# Altium PCB Power_Supply_Board_V2I1.PcbDoc
Units mm, origin at the board's own origin, x right, y up, seen from the top; angles counter-clockwise.
Board outline 48 x 28 mm, 4 copper layers (Top Layer, IN_T, IN_B, Bottom Layer), stack 1.57 mm thick; 49 components, 26 nets, 144 pads, 44 vias.
Unrouted connection lines stored in the file: 2.
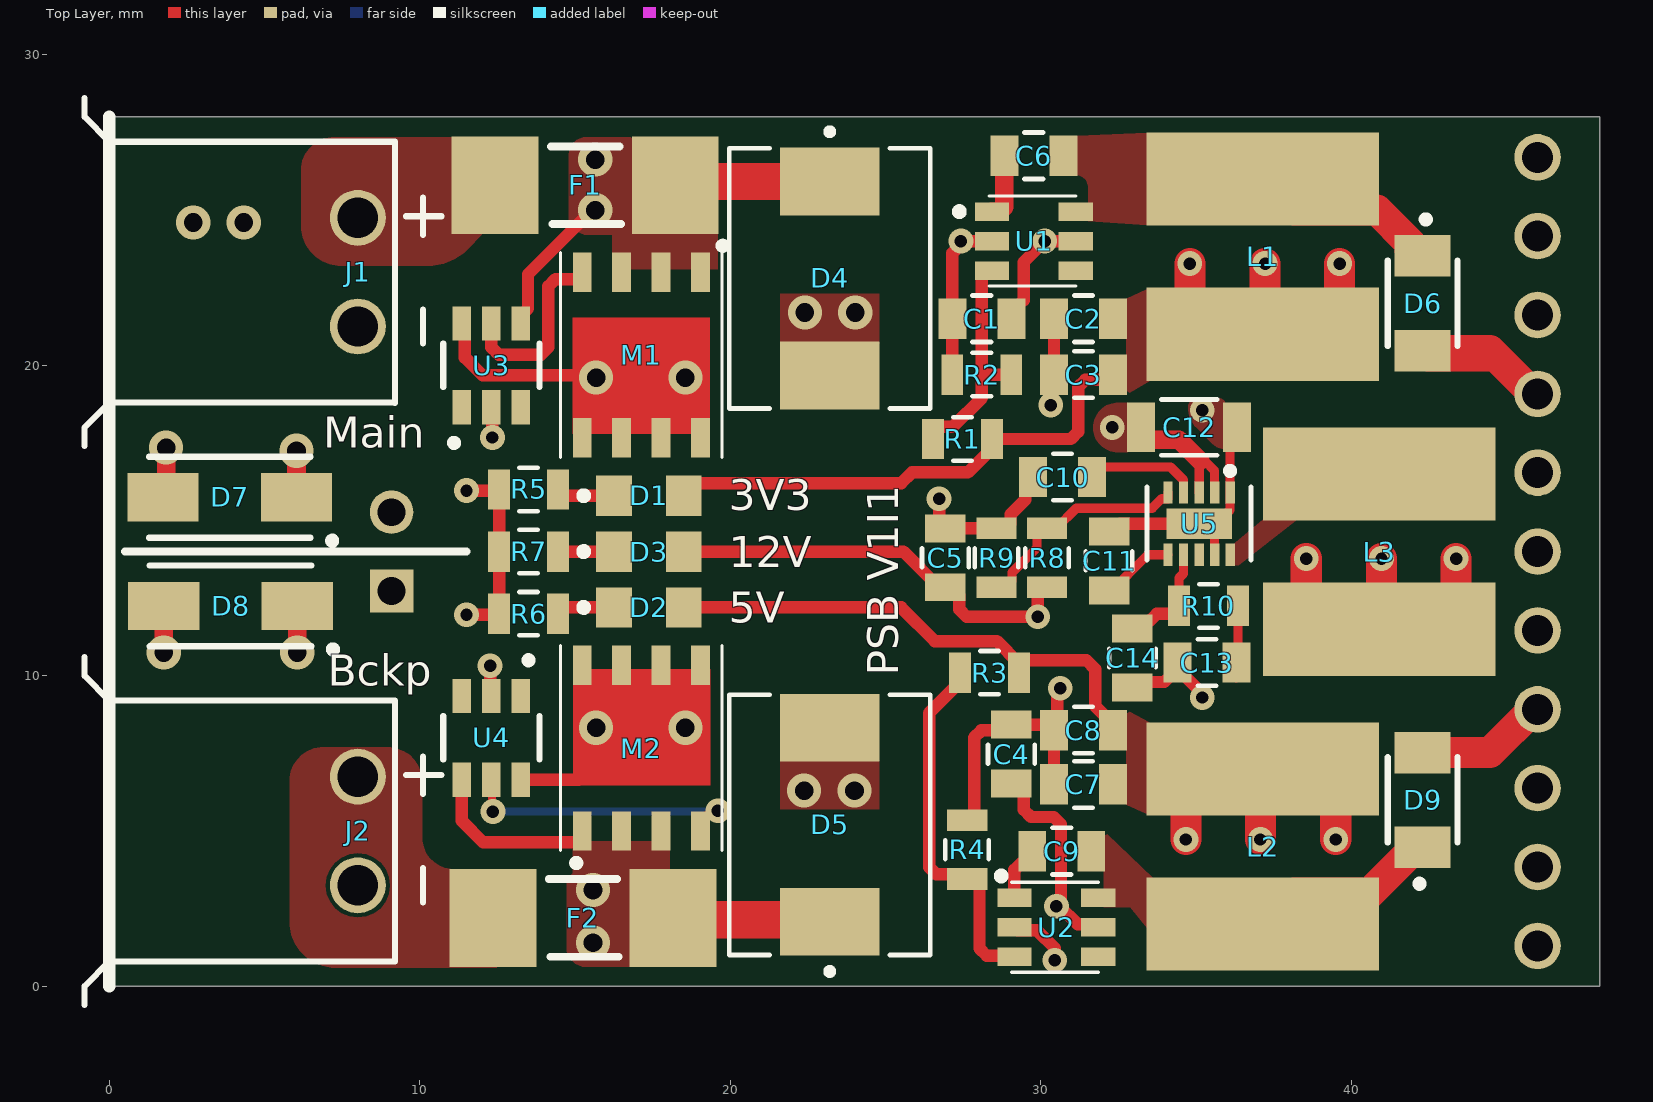
[diagram p0: Top Layer view]
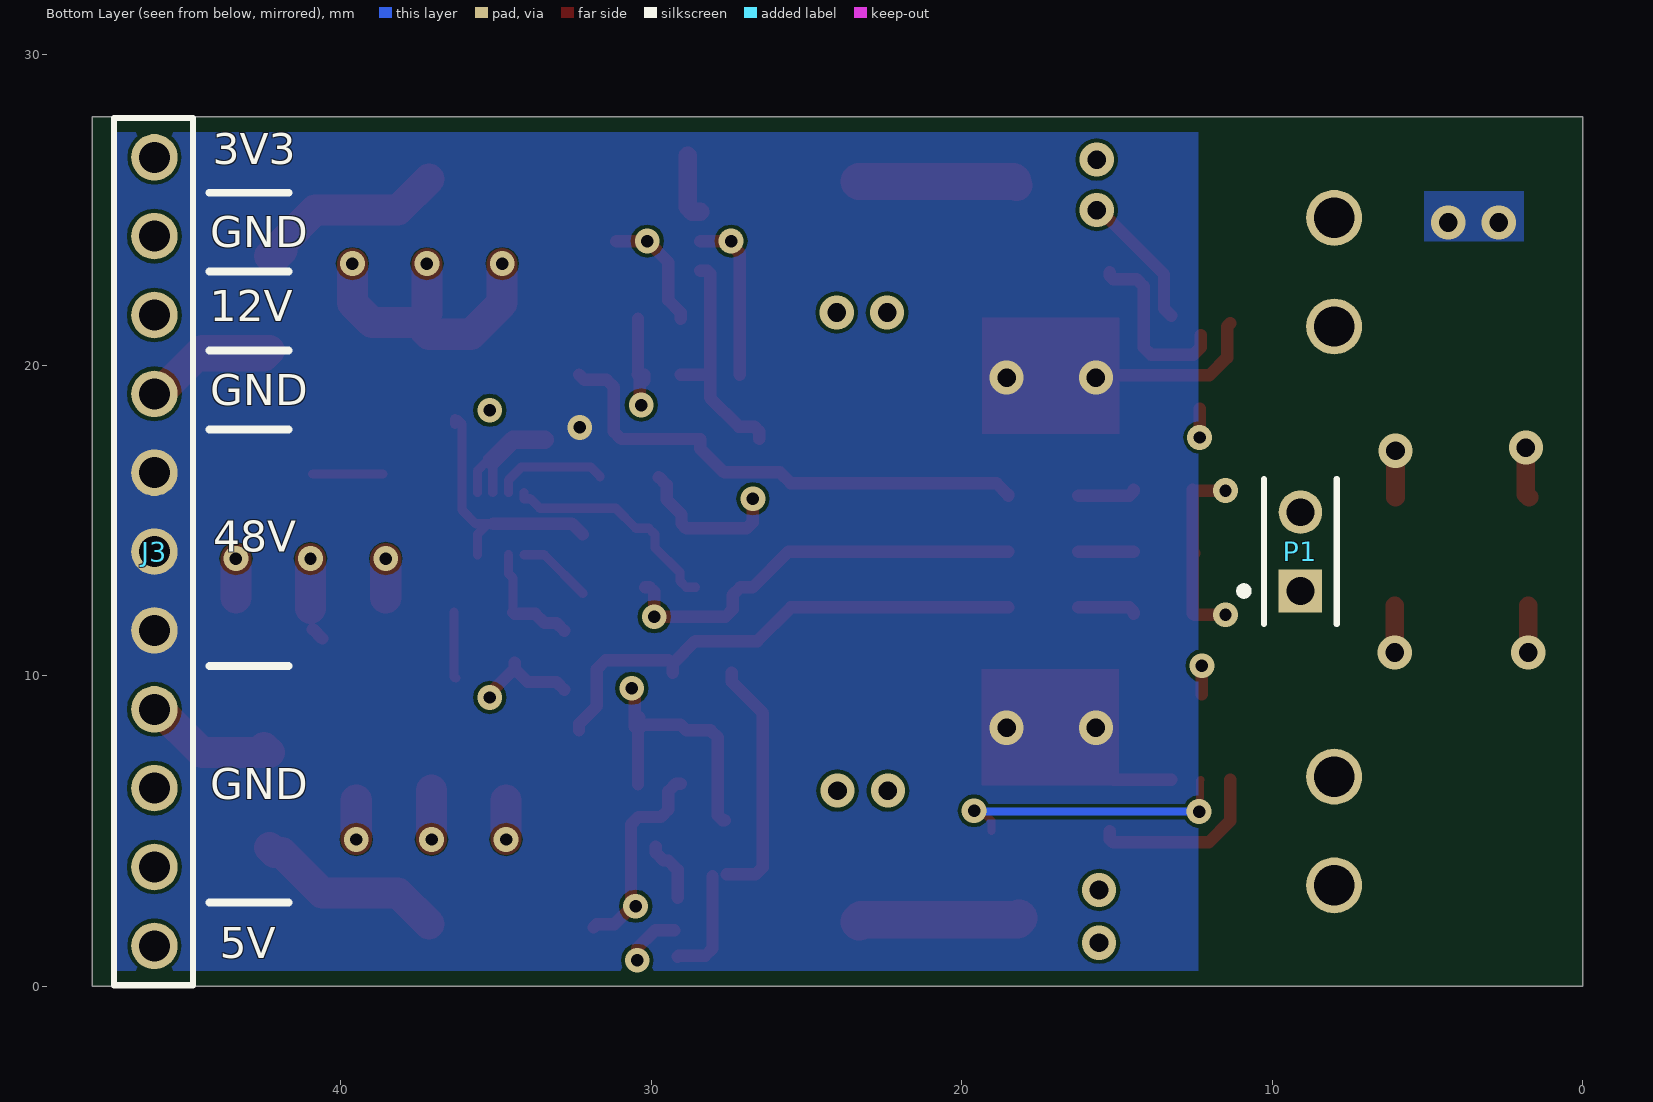
[diagram p1: Bottom Layer view, seen from below]
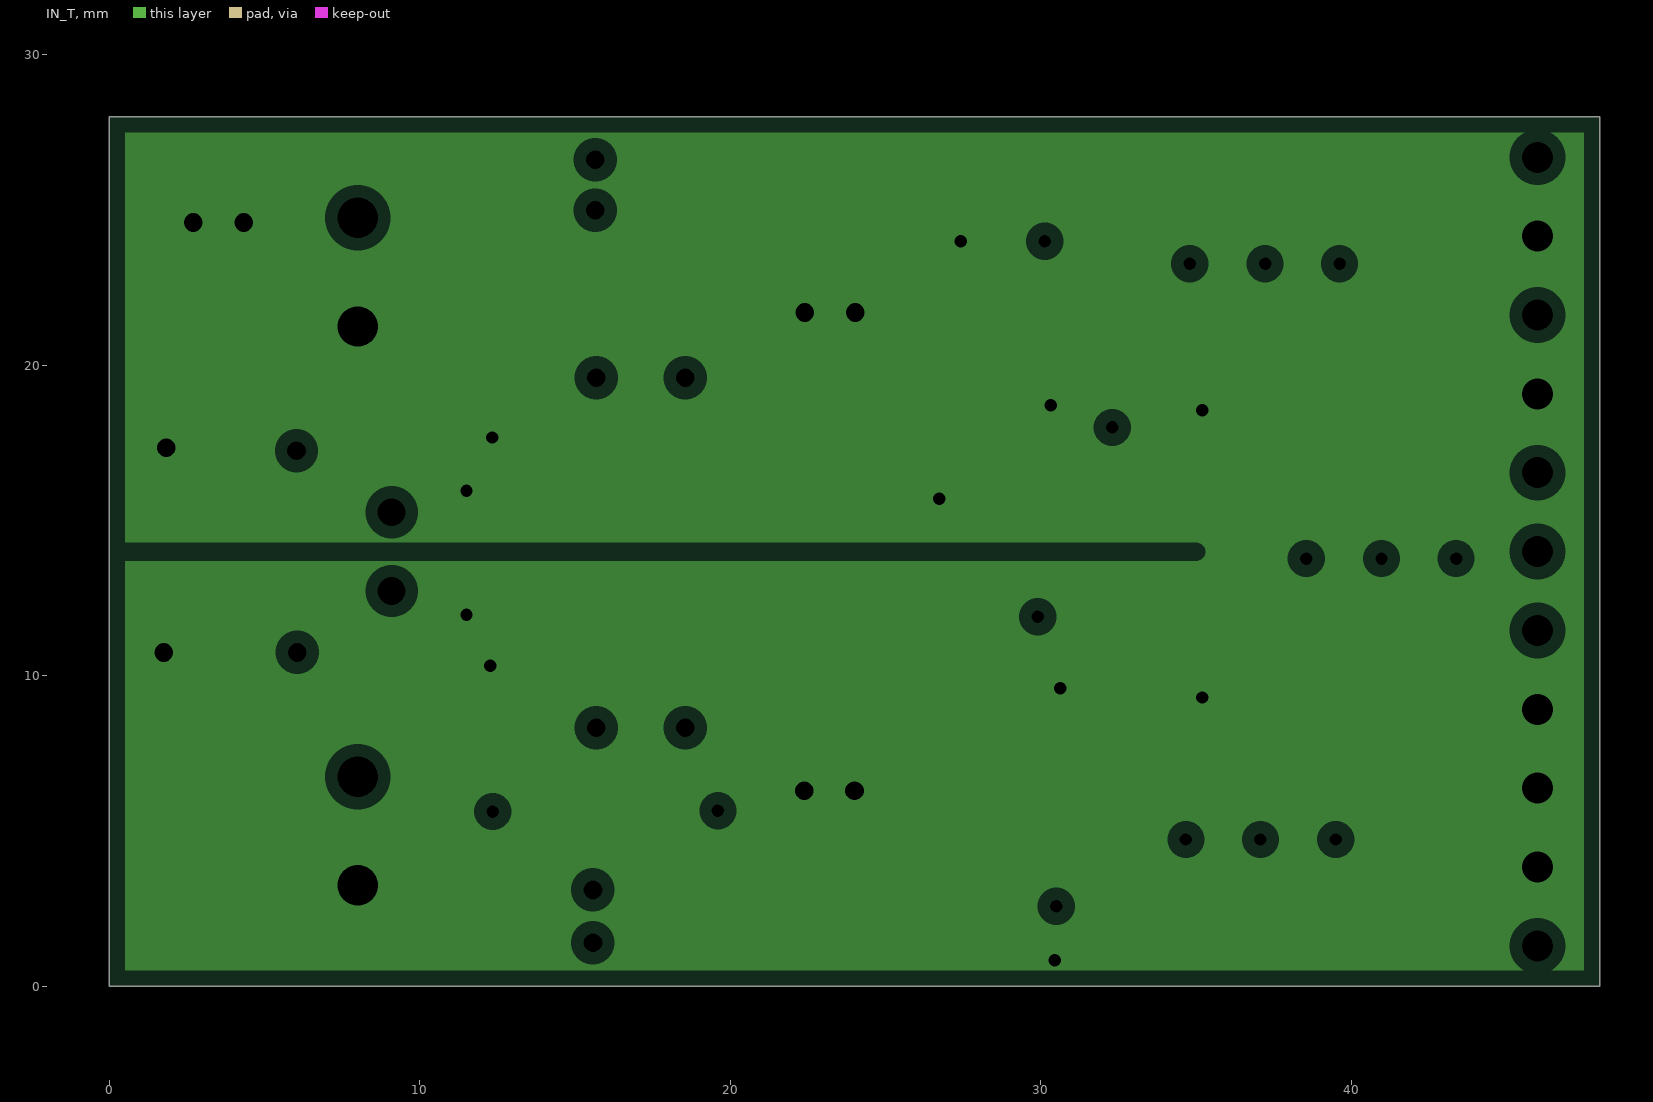
[diagram p2: IN_T, clearances drawn from the general rule]
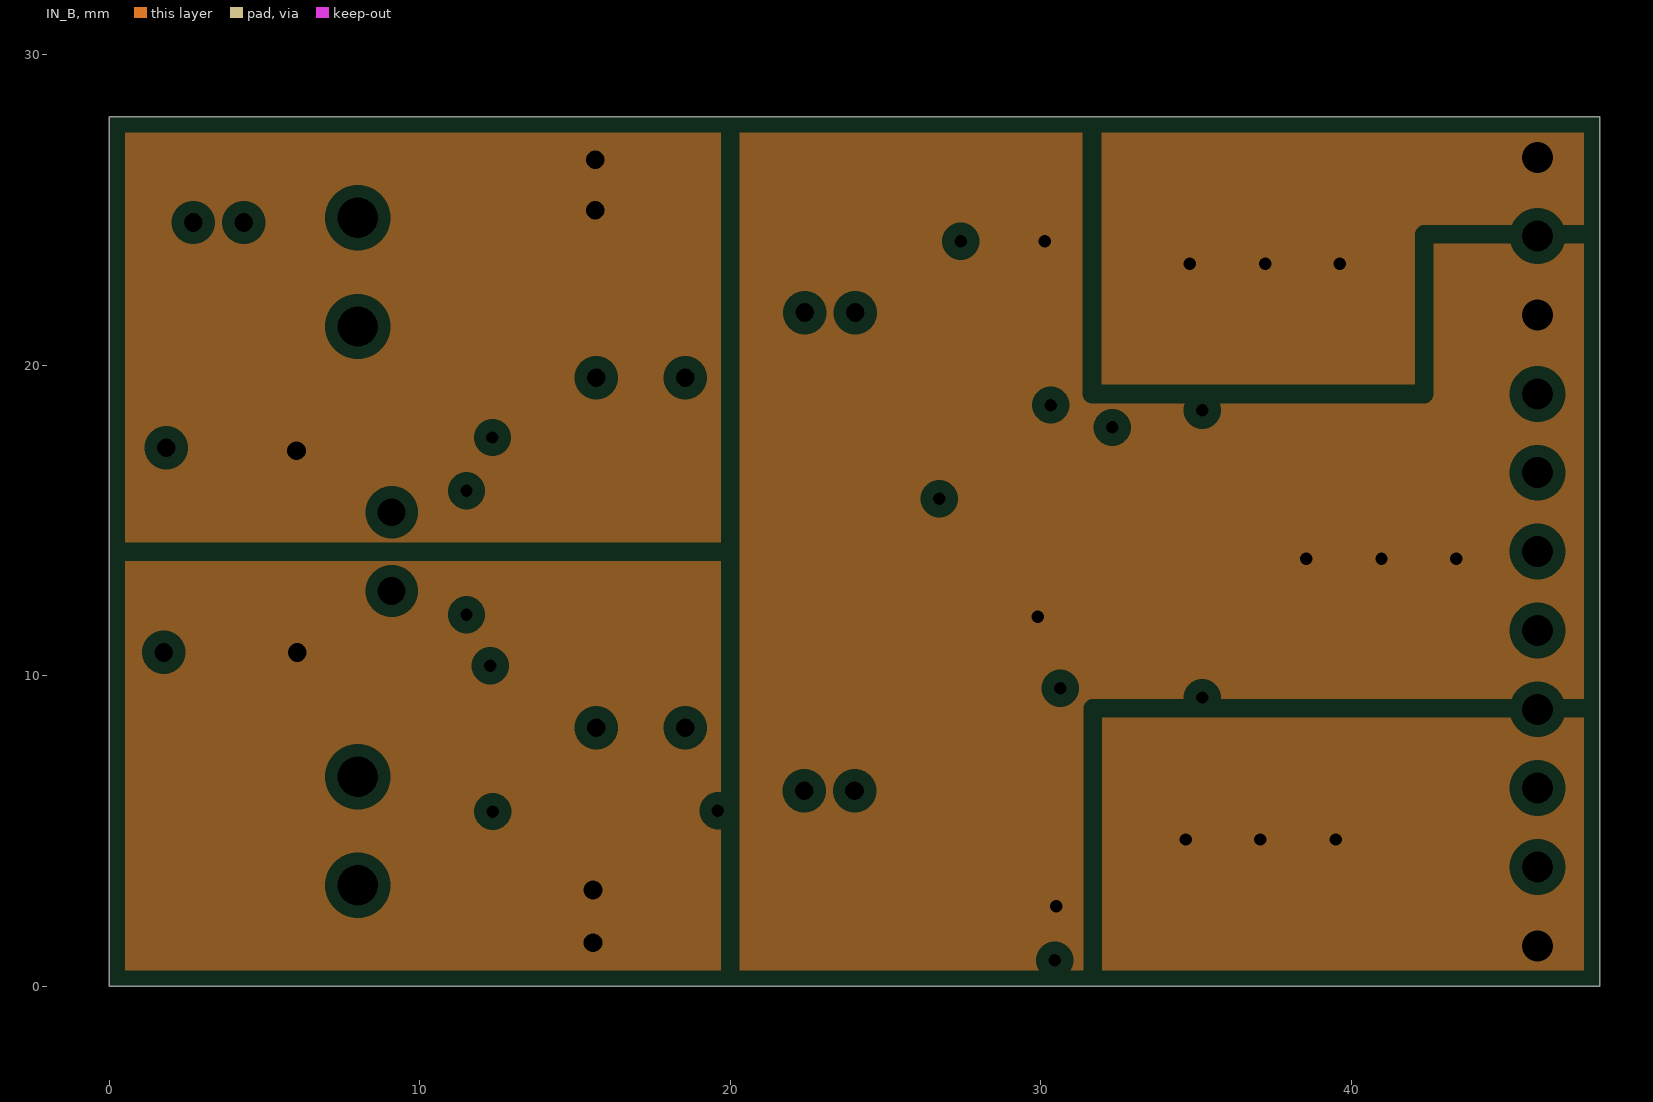
[diagram p3: IN_B, clearances drawn from the general rule]
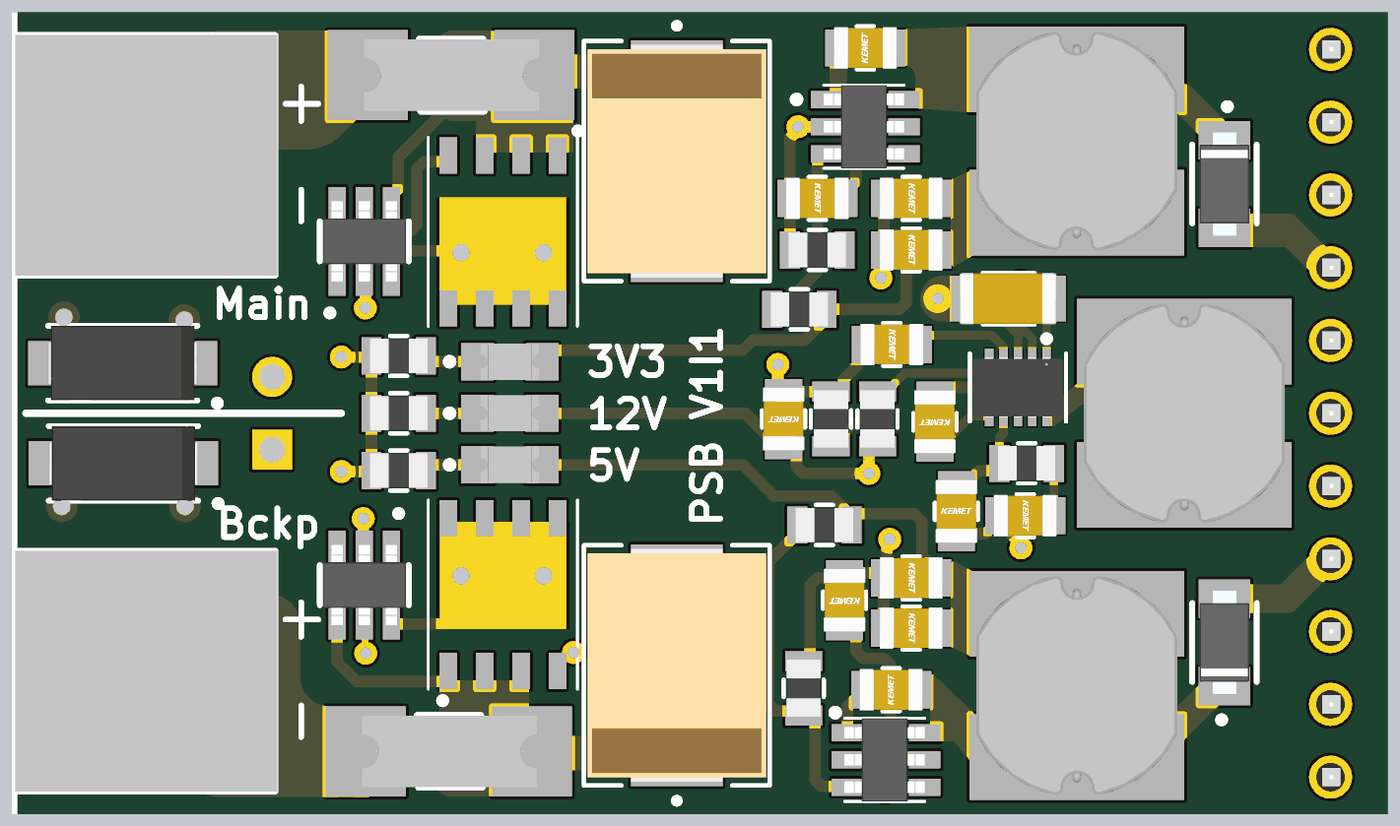
[diagram p4: 3D render of the assembled board from above, using the file's embedded part models]

## Layer stack, top to bottom
Top Solder: solder mask 0.0102, Solder Resist, Dk 3.5
Top Layer: signal copper 0.035
Dielectric 2: prepreg 0.2, PP-006, Dk 4.7
IN_T: plane copper 0.035, net GND
Dielectric 1: core 1.03, Core-009, Dk 4.6
IN_B: plane copper 0.035, net (Multiple Nets)
Dielectric 3: prepreg 0.2, PP-006, Dk 4.7
Bottom Layer: signal copper 0.035
Bottom Solder: solder mask 0.0102, Solder Resist, Dk 3.5

## Board outline
0,0 48,0 48,28 0,28

## Design rules (kind name [scope] priority, off if disabled: settings)
Clearance [All] p1: gap=0.125 ignorepadtopadclearanceinfootprint=FALSE
MinimumSolderMaskSliver [All] p1: minsoldermaskwidth=0.08
PlaneClearance [All] p1: clearance=0.4
PlaneConnect THT [InComponent('J3')] p1: planeconnectstyle=Relief reliefexpansion=0.508 reliefentries=4 reliefconductorwidth=0.65 reliefairgap=0.254
PlaneConnect [All] p2: planeconnectstyle=Direct reliefexpansion=0.508 reliefentries=4 reliefconductorwidth=0.508 reliefairgap=0.254
PolygonConnect [All] p1: connectstyle=Direct reliefconductorwidth=0.254 reliefentries=4 polygonreliefangle="90 Angle" airgapwidth=0.254
RoutingVias Power [InNetClass('POWER')] p1: holewidth=0.6 width=1.1 viastyle="Through Hole" minholewidth=0.6 minwidth=1.1 maxholewidth=0.6 maxwidth=1.1
RoutingVias [All] p2: holewidth=0.4 width=0.8 viastyle="Through Hole" minholewidth=0.3 minwidth=0.7 maxholewidth=0.6 maxwidth=1
SilkToSilkClearance [All] p1: silktosilkclearance=0
SilkToSolderMaskClearance [IsPad] p1: minsilkscreentomaskgap=0.1 clearancetoexposedcopper=TRUE
SolderMaskExpansion [All] p1: expansion=0.102 istentingtop=FALSE
UnpouredPolygon [All] p1: allowunpoured=TRUE allowshelved=TRUE
Width [All] p1: maxlimit=1.2 minlimit=0.254 preferedwidth=0.6 minimp=50.000000 maximp=50.000000 favimp=50.000000
24 further rules are at their usual default settings.

## Components (designator, comment, footprint, x,y, rotation, side; value= is the part's Value field where it differs from the comment)
C1 "10uF 25V" C0805 28.1,21.5 r0 top
C2 "10uF 25V" C0805 31.375,21.5 r0 top
C3 "10uF 25V" C0805 31.375,19.7 r0 top
C4 "10uF 25V" C0805 29.05,7.475 r270 top
C5 "10uF 25V" C0805 26.925,13.8 r270 top
C6 "0.1uF 25V" C0805 29.775,26.75 r180 top locked
C7 "10uF 25V" C0805 31.375,6.5 r0 top
C8 "10uF 25V" C0805 31.375,8.25 r0 top
C9 "0.1uF 25V" C0805 30.675,4.35 r180 top
C10 "1 uF 25V" C0805 30.7,16.4 r0 top
C11 "6.8uF 10V" C0805 32.2,13.7 r270 top
C12 "2.2uF 100V" "Capacitor 1206" 34.775,18 r180 top locked
C13 "2.2nF 50V" C0805 35.35,10.425 r0 top
C14 "12pF 50V" C0805 32.95,10.575 r90 top
D1 "Green Led" "Led Green 0805  Dialight 5988" 17.375,15.8 r0 top locked
D2 "Green Led" "Led Green 0805  Dialight 5988" 17.375,12.2 r0 top locked
D3 "Green Led" "Led Green 0805  Dialight 5988" 17.375,14 r0 top locked
D4 "TVS 58V 1.5kW" "TVS SMCJSeries" 23.2,22.8 r270 top locked
D5 "TVS 58V 1.5kW" "TVS SMCJSeries" 23.2,5.2 r90 top locked
D6 "SS24FL" "DIODE SS24FL SOD" 42.3,22 r270 top
D7 "56V" "DIODE ZENER 56V 1SMA5943BT3G" 3.875,15.75 r180 top locked
D8 "56V" "DIODE ZENER 56V 1SMA5943BT3G" 3.9,12.25 r180 top locked
D9 "SS14FL" "DIODE SS24FL SOD" 42.3,6 r90 top locked
F1 "Fuse 6.3A" "FUSE SMD 6.3A SF-2410FP630W" 15.325,25.8 r0 top locked
F2 "Fuse 6.3A" "FUSE SMD 6.3A SF-2410FP630W" 15.25,2.2 r0 top
J1 "39502-1002" "Terminal Block 0395021002" 8,23 r270 top locked
J2 "39502-1002" "Terminal Block 0395021002" 8,5 r270 top locked
J3 "Header 11 100mils" "Header 11 pos Male 2.54" 46,14 r270 bottom
L1 "15uH R100DCR" "Inductor SDE0805A-180M" 37.15,23.5 r270 top locked
L2 "18uH R100DCR" "Inductor SDE0805A-180M" 37.15,4.5 r90 top locked
L3 "47uH R180 DCR" "Inductor SDE0805A-180M" 40.9,14 r270 top
M1 "NMOS FDMS86540" "NMOS FDMS86540" 17.135,20.33 r180 top locked
M2 "NMOS FDMS86540" "NMOS FDMS86540" 17.135,7.67 r0 top locked
P1 "5-146280-2" TECO-5-146280-2_V 9.086,14 r90 bottom
R1 "64.k9 1%" "Resistor R0805 Panasonic ERJ" 27.475,17.625 r0 top
R2 "19k6 1%" "Resistor R0805 Panasonic ERJ" 28.1,19.7 r0 top
R3 "110k 1%" "Resistor R0805 Panasonic ERJ" 28.35,10.1 r0 top
R4 "19k6 1%" "Resistor R0805 Panasonic ERJ" 27.625,4.4 r270 top
R5 "1K 0.125W" "Resistor R0805 Panasonic ERJ" 13.5,16 r0 top locked
R6 "2k2" "Resistor R0805 Panasonic ERJ" 13.5,12 r0 top locked
R7 "7k5 1%" "Resistor R0805 Panasonic ERJ" 13.5,14 r0 top locked
R8 "174k 1%" "Resistor R0805 Panasonic ERJ" 30.2,13.8 r270 top
R9 "14k 1%" "Resistor R0805 Panasonic ERJ" 28.575,13.8 r270 top
R10 "20k 1%" "Resistor R0805 Panasonic ERJ" 35.4,12.25 r180 top
U1 "DC/DC LMR14010A" LMR14010A 29.775,24 r0 top locked
U2 "DC/DC LMR14010A" LMR14010A 30.5,1.9 r0 top locked
U3 "ORing" LM5050 12.3,20 r90 top locked
U4 "ORing" LM5050 12.3,8 r270 top locked
U5 "DC/DC" "DC/DC MAX17502" 35.097,14.9 r270 top locked

## Footprints (in the part's own frame and the unit in brackets; to place one, negate y for a bottom-side part, rotate by r counter-clockwise, add the part's x,y. Pads: shape width x height; smd on the part's side, far side on the other; paste and mask are expansions set on the pad)
C0805 [mm]
  rect 0.9x1.3 smd mask+0.07: 1(-0.95,0) 2(0.95,0)
  silkscreen extent -0.3,-0.75 0.3,0.75, body extent -1.1,-0.73 1.1,0.73, height 0.89
"Capacitor 1206" [mm]
  rect 0.9x1.6 smd mask+0.05: 1(-1.55,0) 2(1.55,0)
  silkscreen extent -0.9,-0.9 0.9,0.9, body extent -1.68,-0.9 1.72,0.9, height 1.81
"DC/DC MAX17502" [mil]
  rect 28x12 smd mask+1.97: 1(-39.5,39.37) 2(-39.5,19.68) 3(-39.5,0) 4(-39.5,-19.68) 5(-39.5,-39.37) 6(39.5,-39.37) 7(39.5,-19.68) 8(39.5,0) 9(39.5,19.68) 10(39.5,39.37)
  rect 39x83 smd paste-41 mask+0: 11(0,0)
  silkscreen extent -71,-66 47,66, body extent -41,-61 42,61, height 32
"DIODE SS24FL SOD" [mm]
  rect 1.34x1.8 smd: 1(-1.525,0) 2(1.525,0)
  silkscreen extent -2.8,-1.12 1.38,1.12, body extent -1.8,-0.86 1.8,0.86, height 1.08
"DIODE ZENER 56V 1SMA5943BT3G" [mm]
  rect 2.3x1.55 smd: 1(-2.15,0) 2(2.15,0)
  silkscreen extent -3.4,-1.3 2.61,1.5, body extent -2.61,-1.3 2.61,1.3, height 2.2
"FUSE SMD 6.3A SF-2410FP630W" [mm]
  rect 2.8x3.15 smd: 1(-2.9,0) 2(2.9,0)
  silkscreen extent -1.1,-1.25 1.15,1.25, body extent -3.02,-1.24 3.08,1.25, height 2.16
"Header 11 pos Male 2.54" [mm]
  round 1.5 hole 1: 1(-12.7,0) 2(-10.16,0) 3(-7.62,0) 4(-5.08,0) 5(-2.54,0) 6(0,0) 7(2.54,0) 8(5.08,0) 9(7.62,0) 10(10.16,0) 11(12.7,0)
  silkscreen extent -13.97,-1.3 13.97,1.24, body extent -13.97,-1.3 13.97,1.24, height 8.39
"Inductor SDE0805A-180M" [mm]
  rect 3x7.5 smd: 1(-2.5,0) 2(2.5,0)
  body extent -3.83,-3.5 3.83,3.5, height 5.01
"Led Green 0805  Dialight 5988" [mm]
  rect 1.15x1.3 smd: 1(-1.125,0) 2(1.125,0)
  silkscreen extent -2.21,-0.11 -1.99,0.11, body extent -1.03,-0.63 1.03,0.64, height 0.74
LM5050 [mm]
  rect 1.1x0.6 smd: 1(-1.35,0.95) 2(-1.35,0) 3(-1.35,-0.95) 4(1.35,-0.95) 5(1.35,0) 6(1.35,0.95)
  silkscreen extent -2.6,-1.55 0.7,1.55, body extent -1.4,-1.45 1.4,1.45, height 0.97
LMR14010A [mm]
  rect 1.1x0.6 smd: 1(-1.35,0.95) 2(-1.35,0) 3(-1.35,-0.95) 4(1.35,-0.95) 5(1.35,0) 6(1.35,0.95)
  silkscreen extent -2.51,-1.45 1.35,1.45, body extent -1.45,-1.45 1.35,1.45, height 0.97
"NMOS FDMS86540" [mm]
  rect 0.61x1.27 smd: 1(-1.905,-2.67) 2(-0.635,-2.67) 3(0.635,-2.67) 4(1.905,-2.67) 5(1.905,2.67) 6(0.635,2.67) 7(-0.635,2.67) 8(-1.905,2.67)
  Top Layer region: -2.205,-1.205 2.22,-1.205 2.22,2.545 -2.205,2.545
  silkscreen extent -2.72,-3.62 2.6,3.3, body extent -2.6,-3.3 2.6,3.3, height 1.1
"Resistor R0805 Panasonic ERJ" [mm]
  rect 0.7x1.3 smd: 1(-0.95,0) 2(0.95,0)
  silkscreen extent -0.3,-0.7 0.3,0.7, body extent -1,-0.6 1,0.6, height 0.71
TECO-5-146280-2_V [mm] "Connector, 2-Leads, Body 4.67x2.34mm, Pitch 2.54mm"
  rect 1.4x1.4 hole 0.89: 1(-1.27,0)
  round 1.4 hole 0.89: 2(1.27,0)
  silkscreen extent -2.33,-1.17 2.33,1.94, body extent -2.34,-1.17 2.34,1.17, height 5.33
"Terminal Block 0395021002" [mm]
  round 1.8 hole 1.3: 1(-1.75,0) 2(1.75,0)
  silkscreen extent -5.6,-8.8 5.6,2.7, body extent -4.2,-7.87 4.2,1.27, height 6.87
"TVS SMCJSeries" [mil]
  rect 86x126 smd: 1(-123,0) 2(123,0)
  silkscreen extent -189,-127 165,128, body extent -160,-123 160,123, height 105

## Part data
C1 C2 C3 C4 C5 C7 C8: library part GRM21BC81E106ME51L, "CAP CER 10UF 25V X6S 0805", Capacitance=10uF, Case Code (Imperial)=0805, Case Code (Metric)=2012, Dielectric=X6S, Manufacturer=Murata, Max Operating Temperature=105°C, Min Operating Temperature=-55°C, Supplier Part Number 1=490-10503-1-ND, Tolerance=20%, Voltage Rating=25V, Case/Package=0805, Category="Ceramic Capacitors", ComponentLink1Description=http://search.murata.co.jp/Ceramy/image/img/A01X/G101/ENG/GRM21BC81E106ME51-01.pdf?src-supplier=Digi-Key, ComponentLink1URL=http://search.murata.co.jp/Ceramy/image/img/A01X/G101/ENG/GRM21BC81E106ME51-01.pdf?src-supplier=Digi-Key, Length=0.079inch, Manufacturer Part Number=GRM21BC81E106ME51L, Mount="Surface Mount", Packaging="Cut Tape", Pricing 1="1=0,37000, 10=0,25900, 100=0,15560, 500=0,11670, 1000=0,09854 (USD)", RoHS=Yes, Stock 1=169515, Supplier 1=Digi-Key, Thickness=0.055inch, Voltage Rating (DC)=25V, Width=0.049inch
C6 C9: library part 08053C104KAT2A, "CAP CER 0.1UF 25V X7R 0805", Capacitance=100nF, Case Code (Imperial)=0805, Case Code (Metric)=2012, Dielectric=X7R, Insulation Resistance=100GR, Manufacturer="Kyocera AVX", Max Operating Temperature=125°C, Min Operating Temperature=-55°C, Package Quantity=1, Supplier Part Number 1=478-3755-1-ND, Tolerance=10%, Voltage=25V, Case/Package=0805, ComponentLink1Description=http://uk.rs-online.com/webdocs/13cc/0900766b813cc99b.pdf, ComponentLink1URL=http://uk.rs-online.com/webdocs/13cc/0900766b813cc99b.pdf, ComponentLink2Description=http://www.avx.com/docs/catalogs/cx7r.pdf, ComponentLink2URL=http://www.avx.com/docs/catalogs/cx7r.pdf, ComponentLink3Description=http://www.jameco.com/Jameco/Products/ProdDS/1929276.pdf, ComponentLink3URL=http://www.jameco.com/Jameco/Products/ProdDS/1929276.pdf, ComponentLink4Description=http://datasheets.avx.com/AutoMLCC.pdf, ComponentLink4URL=http://datasheets.avx.com/AutoMLCC.pdf, ComponentLink5Description=http://avx.com/docs/Catalogs/cx7r.pdf, ComponentLink5URL=http://avx.com/docs/Catalogs/cx7r.pdf, ComponentLink6Description=http://www.alliedelec.com/m/d/a24bb5190bea413b2ff164816f55e87c.pdf, ComponentLink6URL=http://www.alliedelec.com/m/d/a24bb5190bea413b2ff164816f55e87c.pdf, ComponentLink7Description=http://www.mouser.com/ds/2/40/X7RDielectric-777024.pdf, ComponentLink7URL=http://www.mouser.com/ds/2/40/X7RDielectric-777024.pdf, ComponentLink8Description=http://catalogs.avx.com/SurfaceMount.pdf, ComponentLink8URL=http://catalogs.avx.com/SurfaceMount.pdf, Contact Plating=Matte,Tin, Depth=1.25mm, Dissipation Factor=3%, Height=0.94mm, Lead Free="Lead Free", Length=2.01mm, Manufacturer Part Number=08053C104KAT2A, Mount="PCB,Surface Mount", Number of Pins=2, Packaging="Tape and Reel", Pricing 1="1=0.2, 10=0.144, 100=0.0675, 500=0.04736, 1000=0.0392 (USD)", Radiation Hardening=No, REACH SVHC="No SVHC", Stock 1=40000, Supplier 1=Digi-Key, Termination=SMD/SMT, Thickness=0.037inch, Voltage Rating=25V, Voltage Rating (DC)=25V, Width=0.049inch
C10: library part CL21B105KAFNNNE, "Cap Ceramic 1uF 25V X7R 10% SMD 0805 125C T/R", Capacitance=1uF, Case Code (Imperial)=0805, Case Code (Metric)=2012, Dielectric=X7R, Manufacturer=Samsung, Max Operating Temperature=125°C, Min Operating Temperature=-55°C, Package Quantity=1, Supplier Part Number 1=1276-1066-1-ND, Tolerance=10%, Voltage=25V, Case/Package=0805, ComponentLink1Description=https://media.digikey.com/pdf/Data%20Sheets/Samsung%20PDFs/CL_Series_MLCC_ds.pdf?src-supplier=Digi-Key, ComponentLink1URL=https://media.digikey.com/pdf/Data%20Sheets/Samsung%20PDFs/CL_Series_MLCC_ds.pdf?src-supplier=Digi-Key, ComponentLink2Description=https://www.verical.com/server-webapp/html/getDatasheet?partID=355205&src-supplier=Verical, ComponentLink2URL=https://www.verical.com/server-webapp/html/getDatasheet?partID=355205&src-supplier=Verical, Contact Plating=Tin, Depth=1.25mm, Height=1.25mm, Lead Free="Lead Free", Length=2mm, Manufacturer Part Number=CL21B105KAFNNNE, Mount="Surface Mount", Packaging="Tape and Reel", Pricing 1="1=0.1, 10=0.076, 100=0.0338, 500=0.02416, 1000=0.01898 (USD)", Radiation Hardening=No, Stock 1=1714091, Supplier 1=Digi-Key, Thickness=0.053inch, Voltage Rating=25V, Voltage Rating (DC)=25V, Width=0.049inch
C11: library part C2012X7R1A685K125AC, "CAP CER 6.8UF 10V X7R 0805", Capacitance=6.8uF, Case Code (Imperial)=2012, Case Code (Metric)=5032, Case/Package=0805, Dielectric=X7R, Dielectric Material=Ceramic, Manufacturer=TDK, Max Operating Temperature=125°C, Min Operating Temperature=-55°C, Package Quantity=2000, Supplier Part Number 1=445-14529-1-ND, Tolerance=10%, Voltage Rating=10V, Category="Ceramic Capacitors", ComponentLink1Description=https://datasheet.ciiva.com/14909/tdkmlcccaprange-14909278.pdf?src-supplier=Digi-Key, ComponentLink1URL=https://datasheet.ciiva.com/14909/tdkmlcccaprange-14909278.pdf?src-supplier=Digi-Key, ComponentLink2Description=https://datasheet.ciiva.com/14909/tdkmlcccaprange-14909279.pdf?src-supplier=Digi-Key, ComponentLink2URL=https://datasheet.ciiva.com/14909/tdkmlcccaprange-14909279.pdf?src-supplier=Digi-Key, Lead Free="Lead Free", Length=0.079inch, Manufacturer Part Number=C2012X7R1A685K125AC, Mount="Surface Mount", Packaging="Tape and Reel", Pricing 1="1=0,46000, 10=0,31600, 100=0,18980, 500=0,14232, 1000=0,12018 (USD)", RoHS=Yes, Stock 1=4078, Supplier 1=Digi-Key, Termination=SMD/SMT, Thickness=0.057inch, Voltage Rating (DC)=10V, Width=0.049inch
C12: library part GCM31CC72A225KE02L, "Cap Ceramic 2.2uF 100V X7S 10% Pad SMD 1206 125C Automotive T/R", Capacitance=2.2uF, Case Code (Imperial)=1206, Case Code (Metric)=3216, Manufacturer=Murata, Max Operating Temperature=125°C, Min Operating Temperature=-55°C, Ratings=AEC-Q200, Supplier Part Number 1=490-14438-1-ND, Tolerance=10%, Voltage Rating=100V, Case/Package=1206, Category="Ceramic Capacitors", ComponentLink1Description=http://search.murata.co.jp/Ceramy/image/img/A01X/partnumbering_e_02.pdf?src-supplier=Digi-Key, ComponentLink1URL=http://search.murata.co.jp/Ceramy/image/img/A01X/partnumbering_e_02.pdf?src-supplier=Digi-Key, ComponentLink2Description=http://search.murata.co.jp/Ceramy/image/img/A01X/G101/ENG/GCM31CC72A225KE02-01.pdf?src-supplier=Digi-Key, ComponentLink2URL=http://search.murata.co.jp/Ceramy/image/img/A01X/G101/ENG/GCM31CC72A225KE02-01.pdf?src-supplier=Digi-Key, Manufacturer Part Number=GCM31CC72A225KE02L, Mount="Surface Mount", Packaging="Cut Tape", Pricing 1="1=0,90000, 10=0,66100, 100=0,45330, 500=0,35886, 1000=0,30220 (USD)", RoHS=No, Stock 1=99576, Supplier 1=Digi-Key